# Altium PCB Motherboard_PCB_Trimmed.PcbDoc (part 3 of 5)
Units mm, origin at the board's own origin, x right, y up, seen from the top; angles counter-clockwise.
Board outline 167.96 x 167.95 mm, 6 copper layers (Top, VCC, VS, Internal, GND, Bottom), stack 1.797 mm thick; 578 components, 549 nets, 2587 pads, 1599 vias.
Unrouted connection lines stored in the file: 2.
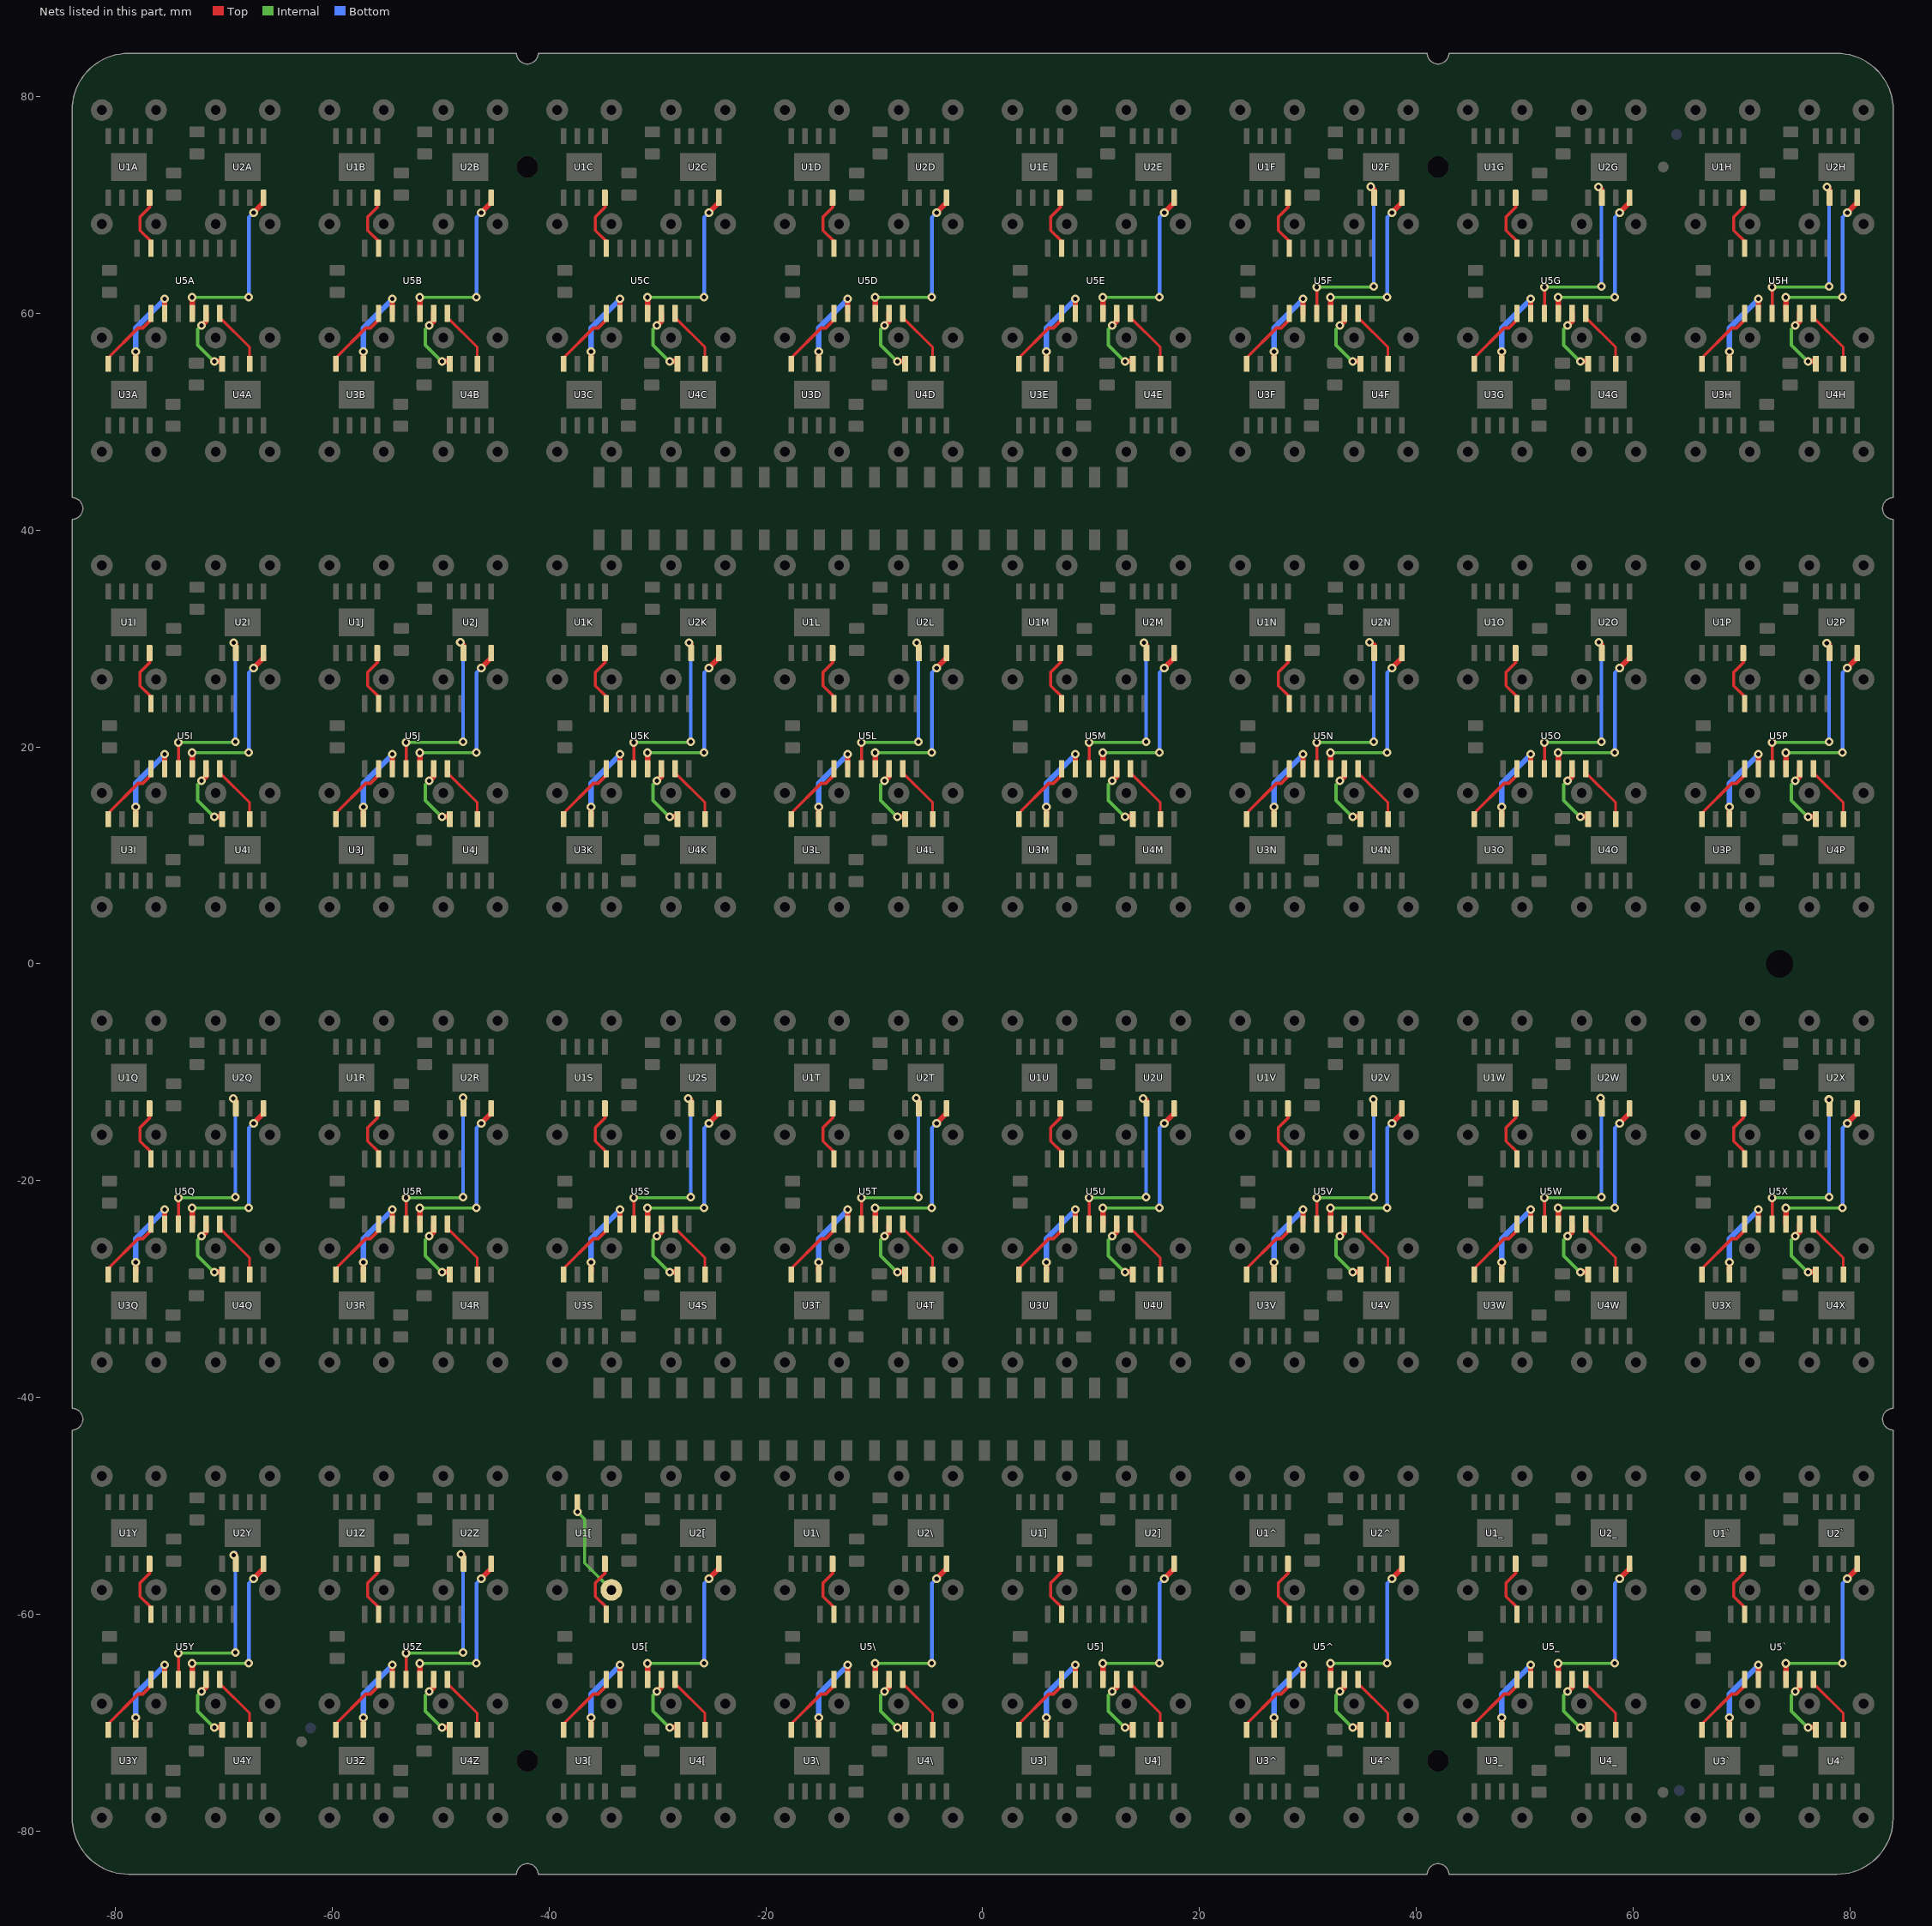
[diagram p7: the nets of this part, all layers, seen from the top]

## Via types
v1: diameter 0.8, hole 0.4, Top to Bottom, tented both sides, 1061 vias
v2: diameter 0.8, hole 0.4, Top to Bottom, 512 vias
v3: diameter 1.4, hole 0.8, Top to Bottom, tented both sides, 10 vias
v4: diameter 1.2, hole 0.8, Top to Bottom, tented both sides, 10 vias
v5: diameter 1, hole 0.6, Top to Bottom, tented both sides, 6 vias

## Nets (pads, with @x,y where several pads share a name; then routed paths per layer and width w, separated by ;. In a path a pad name is that pad's centre, name@x,y a point inside that pad or via, vN(x,y) a via of type N, cw(c..) or ccw(c..) an arc to the next point about the centre after c; other vN are vias at no path point) (continued)
INA_2F: U2F.2 U5F.4 | length 18.4
  Top w0.305: U5F.4@30.815,60 30.825,60.01 v1(30.825,62.425) ; v1(35.789,71.679) 35.851,71.679 36.115,71.415
  Top w0.5: U2F.2@36.115,70.455 U2F.2@36.115,70.655 36.115,71.415
  Internal w0.305: v1(30.825,62.425) 36.025,62.425 v1(36.075,62.475)
  Bottom w0.305: v1(35.789,71.679) 35.789,71.661 36.075,71.375 v1(36.075,62.475)
INA_2G: U2G.2 U5G.4 | length 18.4
  Top w0.305: U5G.4@51.815,60 51.825,60.01 v1(51.825,62.425) ; v1(56.794,71.653) 56.877,71.653 v1@57.115,71.415
  Top w0.5: U2G.2@57.115,70.455 U2G.2@57.115,70.655 v1@57.115,71.415
  Internal w0.305: v1(51.825,62.425) 57.025,62.425 v1(57.075,62.475)
  Bottom w0.305: v1(56.794,71.653) 56.797,71.653 57.075,71.375 v1(57.075,62.475)
INA_2H: U2H.2 U5H.4 | length 18.3
  Top w0.305: U5H.4@72.815,60 72.825,60.01 v1(72.825,62.425) ; v1(77.876,71.653) v1@78.115,71.415
  Top w0.5: U2H.2@78.115,70.455 U2H.2@78.115,70.655 v1@78.115,71.415
  Internal w0.305: v1(72.825,62.425) 78.025,62.425 v1(78.075,62.475)
  Bottom w0.305: v1(77.876,71.653) 77.876,71.577 78.075,71.379 v1(78.075,62.475)
INA_2I: U2I.2 U5I.4 | length 18.4
  Top w0.305: U5I.4@-74.185,18 -74.175,18.01 v1(-74.175,20.425) ; v1(-69.075,29.605) v1@-68.885,29.415
  Top w0.5: U2I.2@-68.885,28.455 U2I.2@-68.885,28.655 v1@-68.885,29.415
  Internal w0.305: v1(-74.175,20.425) -68.975,20.425 v1(-68.925,20.475)
  Bottom w0.305: v1(-69.075,29.605) -69.08,29.605 -69.163,29.687 -69.2,29.65 -68.925,29.375 v1(-68.925,20.475)
INA_2J: U2J.2 U5J.4 | length 18.4
  Top w0.305: U5J.4@-53.185,18 -53.175,18.01 v1(-53.175,20.425) ; v1(-48.184,29.667) -48.137,29.667 v1@-47.885,29.415
  Top w0.5: U2J.2@-47.885,28.455 U2J.2@-47.885,28.655 v1@-47.885,29.415
  Internal w0.305: v1(-53.175,20.425) -47.975,20.425 v1(-47.925,20.475)
  Bottom w0.305: v1(-48.184,29.667) -48.184,29.634 -47.925,29.375 v1(-47.925,20.475)
INA_2K: U2K.2 U5K.4 | length 18.2
  Top w0.305: U5K.4@-32.185,18 -32.175,18.01 v1(-32.175,20.425) ; v1(-27.076,29.606) v1@-26.885,29.415
  Top w0.5: U2K.2@-26.885,28.455 U2K.2@-26.885,28.655 v1@-26.885,29.415
  Internal w0.305: v1(-32.175,20.425) -26.975,20.425 v1(-26.925,20.475)
  Bottom w0.305: v1(-27.076,29.606) -26.99,29.606 -26.925,29.541 v1(-26.925,20.475)
INA_2L: U2L.2 U5L.4 | length 18.2
  Top w0.305: U5L.4@-11.185,18 -11.175,18.01 v1(-11.175,20.425) ; v1(-6.096,29.616) -6.086,29.616 v1@-5.885,29.415
  Top w0.5: U2L.2@-5.885,28.455 U2L.2@-5.885,28.655 v1@-5.885,29.415
  Internal w0.305: v1(-11.175,20.425) -5.975,20.425 v1(-5.925,20.475)
  Bottom w0.305: v1(-6.096,29.616) -5.925,29.445 v1(-5.925,20.475)
INA_2M: U2M.2 U5M.4 | length 18.2
  Top w0.305: U5M.4@9.815,18 9.825,18.01 v1(9.825,20.425) ; v1(14.884,29.616) 14.914,29.616 v1@15.115,29.415
  Top w0.5: U2M.2@15.115,28.455 U2M.2@15.115,28.655 v1@15.115,29.415
  Internal w0.305: v1(9.825,20.425) 15.025,20.425 v1(15.075,20.475)
  Bottom w0.305: v1(14.884,29.616) 14.884,29.566 15.075,29.375 v1(15.075,20.475)
INA_2N: U2N.2 U5N.4 | length 18.6
  Top w0.305: U5N.4@30.815,18 30.825,18.01 v1(30.825,20.425) ; v1(35.687,29.667) 35.863,29.667 36.115,29.415
  Top w0.5: U2N.2@36.115,28.455 U2N.2@36.115,28.655 36.115,29.415
  Internal w0.305: v1(30.825,20.425) 36.025,20.425 v1(36.075,20.475)
  Bottom w0.305: v1(35.687,29.667) 35.783,29.667 36.075,29.375 v1(36.075,20.475)
INA_2O: U2O.2 U5O.4 | length 18.3
  Top w0.305: U5O.4@51.815,18 51.825,18.01 v1(51.825,20.425) ; v1(56.845,29.667) 56.863,29.667 v1@57.115,29.415
  Top w0.5: U2O.2@57.115,28.455 U2O.2@57.115,28.655 v1@57.115,29.415
  Internal w0.305: v1(51.825,20.425) 57.025,20.425 v1(57.075,20.475)
  Bottom w0.305: v1(56.845,29.667) 56.845,29.605 57.075,29.375 v1(57.075,20.475)
INA_2P: U2P.2 U5P.4 | length 18.2
  Top w0.305: U5P.4@72.815,18 72.825,18.01 v1(72.825,20.425) ; v1(77.851,29.566) 77.964,29.566 v1@78.115,29.415
  Top w0.5: U2P.2@78.115,28.455 U2P.2@78.115,28.655 v1@78.115,29.415
  Internal w0.305: v1(72.825,20.425) 78.025,20.425 v1(78.075,20.475)
  Bottom w0.305: v1(77.851,29.566) 77.884,29.566 78.075,29.375 v1(78.075,20.475)
INA_2Q: U2Q.2 U5Q.4 | length 18.2
  Top w0.305: U5Q.4@-74.185,-24 -74.175,-23.99 v1(-74.175,-21.575) ; v1(-69.139,-12.421) -69.049,-12.421 v1@-68.885,-12.585
  Top w0.5: U2Q.2@-68.885,-13.545 U2Q.2@-68.885,-13.345 v1@-68.885,-12.585
  Internal w0.305: v1(-74.175,-21.575) -68.975,-21.575 v1(-68.925,-21.525)
  Bottom w0.305: v1(-69.139,-12.421) -69.129,-12.421 -68.925,-12.625 v1(-68.925,-21.525)
INA_2R: U2R.2 U5R.4 | length 18.1
  Top w0.305: U5R.4@-53.185,-24 -53.175,-23.99 v1(-53.175,-21.575) ; v1(-47.93,-12.344) -47.885,-12.389 v1@-47.885,-12.585
  Top w0.5: U2R.2@-47.885,-13.545 U2R.2@-47.885,-13.345 v1@-47.885,-12.585
  Internal w0.305: v1(-53.175,-21.575) -47.975,-21.575 v1(-47.925,-21.525)
  Bottom w0.305: v1(-47.93,-12.344) -47.925,-12.349 v1(-47.925,-21.525)
INA_2S: U2S.2 U5S.4 | length 18.3
  Top w0.305: U5S.4@-32.185,-24 -32.175,-23.99 v1(-32.175,-21.575) ; v1(-27.178,-12.421) -27.049,-12.421 v1@-26.885,-12.585
  Top w0.5: U2S.2@-26.885,-13.545 U2S.2@-26.885,-13.345 v1@-26.885,-12.585
  Internal w0.305: v1(-32.175,-21.575) -26.975,-21.575 v1(-26.925,-21.525)
  Bottom w0.305: v1(-27.178,-12.421) -27.129,-12.421 -26.925,-12.625 v1(-26.925,-21.525)
INA_2T: U2T.2 U5T.4 | length 18.3
  Top w0.305: U5T.4@-11.185,-24 -11.175,-23.99 v1(-11.175,-21.575) ; v1(-6.121,-12.37) -6.121,-12.349 v1@-5.885,-12.585
  Top w0.5: U2T.2@-5.885,-13.545 U2T.2@-5.885,-13.345 v1@-5.885,-12.585
  Internal w0.305: v1(-11.175,-21.575) -5.975,-21.575 v1(-5.925,-21.525)
  Bottom w0.305: v1(-6.121,-12.37) -6.18,-12.37 -5.925,-12.625 v1(-5.925,-21.525)
INA_2U: U2U.2 U5U.4 | length 18.3
  Top w0.305: U5U.4@9.815,-24 9.825,-23.99 v1(9.825,-21.575) ; v1(14.808,-12.421) 14.951,-12.421 v1@15.115,-12.585
  Top w0.5: U2U.2@15.115,-13.545 U2U.2@15.115,-13.345 v1@15.115,-12.585
  Internal w0.305: v1(9.825,-21.575) 15.025,-21.575 v1(15.075,-21.525)
  Bottom w0.305: v1(14.808,-12.421) 14.935,-12.421 15.075,-12.56 v1(15.075,-21.525)
INA_2V: U2V.2 U5V.4 | length 17.8
  Top w0.305: U5V.4@30.815,-24 30.825,-23.99 v1(30.825,-21.575) ; v1(36.017,-12.497) 36.027,-12.497 v1@36.115,-12.585
  Top w0.5: U2V.2@36.115,-13.545 U2V.2@36.115,-13.345 v1@36.115,-12.585
  Internal w0.305: v1(30.825,-21.575) 36.025,-21.575 v1(36.075,-21.525)
  Bottom w0.305: v1(36.017,-12.497) 36.075,-12.555 v1(36.075,-21.525)
INA_2W: U2W.2 U5W.4 | length 18.1
  Top w0.305: U5W.4@51.815,-24 51.825,-23.99 v1(51.825,-21.575) ; v1(56.998,-12.37) 57.115,-12.487 v1@57.115,-12.585
  Top w0.5: U2W.2@57.115,-13.545 U2W.2@57.115,-13.345 v1@57.115,-12.585
  Internal w0.305: v1(51.825,-21.575) 57.025,-21.575 v1(57.075,-21.525)
  Bottom w0.305: v1(56.998,-12.37) 57.075,-12.447 v1(57.075,-21.525)
INA_2X: U2X.2 U5X.4 | length 17.8
  Top w0.305: U5X.4@72.815,-24 72.825,-23.99 v1(72.825,-21.575) ; v1(78.054,-12.522) 78.115,-12.583 v1@78.115,-12.585
  Top w0.5: U2X.2@78.115,-13.545 U2X.2@78.115,-13.345 v1@78.115,-12.585
  Internal w0.305: v1(72.825,-21.575) 78.025,-21.575 v1(78.075,-21.525)
  Bottom w0.305: v1(78.054,-12.522) 78.075,-12.543 v1(78.075,-21.525)
INA_2Y: U2Y.2 U5Y.4 | length 18.6
  Top w0.305: U5Y.4@-74.185,-66 -74.175,-65.99 v1(-74.175,-63.575) ; v1(-69.075,-54.525) -69.054,-54.525 -68.885,-54.356 v1@-68.885,-54.585
  Top w0.5: U2Y.2@-68.885,-55.545 U2Y.2@-68.885,-55.345 v1@-68.885,-54.585
  Internal w0.305: v1(-74.175,-63.575) -68.975,-63.575 v1(-68.925,-63.525)
  Bottom w0.305: v1(-69.075,-54.525) -69.075,-54.466 -68.925,-54.316 v1(-68.925,-63.525)
INA_2Z: U2Z.2 U5Z.4 | length 18.5
  Top w0.305: U5Z.4@-53.185,-66 -53.175,-65.99 v1(-53.175,-63.575) ; v1(-48.125,-54.45) -47.934,-54.45 -47.885,-54.401 v1@-47.885,-54.585
  Top w0.5: U2Z.2@-47.885,-55.545 U2Z.2@-47.885,-55.345 v1@-47.885,-54.585
  Internal w0.305: v1(-53.175,-63.575) -47.975,-63.575 v1(-47.925,-63.525)
  Bottom w0.305: v1(-48.125,-54.45) -48.014,-54.45 -47.925,-54.361 v1(-47.925,-63.525)
INA_3[: U3[.2 U5[.3 | length 8.2
  Top w0.5: v1(-36.125,-69.525) -36.115,-69.535 U3[.2@-36.115,-70.455 ; U5[.3@-33.455,-66 -33.455,-64.68 v1(-33.45,-64.675)
  Bottom w0.5: v1(-36.125,-69.525) -36.125,-67.35 v1(-33.45,-64.675)
INA_3\: U3\.2 U5\.3 | length 8.2
  Top w0.5: v1(-15.125,-69.525) -15.115,-69.535 U3\.2@-15.115,-70.455 ; U5\.3@-12.455,-66 -12.455,-64.68 v1(-12.45,-64.675)
  Bottom w0.5: v1(-15.125,-69.525) -15.125,-67.35 v1(-12.45,-64.675)
INA_3]: U3].2 U5].3 | length 8.2
  Top w0.5: v1(5.875,-69.525) 5.885,-69.535 U3].2@5.885,-70.455 ; U5].3@8.545,-66 8.545,-64.68 v1(8.55,-64.675)
  Bottom w0.5: v1(5.875,-69.525) 5.875,-67.35 v1(8.55,-64.675)
INA_3^: U3^.2 U5^.3 | length 8.2
  Top w0.5: v1(26.875,-69.525) 26.885,-69.535 U3^.2@26.885,-70.455 ; U5^.3@29.545,-66 29.545,-64.68 v1(29.55,-64.675)
  Bottom w0.5: v1(26.875,-69.525) 26.875,-67.35 v1(29.55,-64.675)
INA_3_: U3_.2 U5_.3 | length 8.2
  Top w0.5: v1(47.875,-69.525) 47.885,-69.535 U3_.2@47.885,-70.455 ; U5_.3@50.545,-66 50.545,-64.68 v1(50.55,-64.675)
  Bottom w0.5: v1(47.875,-69.525) 47.875,-67.35 v1(50.55,-64.675)
INA_3`: U3`.2 U5`.3 | length 8.2
  Top w0.5: v1(68.875,-69.525) 68.885,-69.535 U3`.2@68.885,-70.455 ; U5`.3@71.545,-66 71.545,-64.68 v1(71.55,-64.675)
  Bottom w0.5: v1(68.875,-69.525) 68.875,-67.35 v1(71.55,-64.675)
INA_3A: U3A.2 U5A.3 | length 8.2
  Top w0.5: v1(-78.125,56.475) -78.115,56.465 U3A.2@-78.115,55.545 ; U5A.3@-75.455,60 -75.455,61.32 v1(-75.45,61.325)
  Bottom w0.5: v1(-78.125,56.475) -78.125,58.65 v1(-75.45,61.325)
INA_3B: U3B.2 U5B.3 | length 8.2
  Top w0.5: v1(-57.125,56.475) -57.115,56.465 U3B.2@-57.115,55.545 ; U5B.3@-54.455,60 -54.455,61.32 v1(-54.45,61.325)
  Bottom w0.5: v1(-57.125,56.475) -57.125,58.65 v1(-54.45,61.325)
INA_3C: U3C.2 U5C.3 | length 8.2
  Top w0.5: v1(-36.125,56.475) -36.115,56.465 U3C.2@-36.115,55.545 ; U5C.3@-33.455,60 -33.455,61.32 v1(-33.45,61.325)
  Bottom w0.5: v1(-36.125,56.475) -36.125,58.65 v1(-33.45,61.325)
INA_3D: U3D.2 U5D.3 | length 8.2
  Top w0.5: v1(-15.125,56.475) -15.115,56.465 U3D.2@-15.115,55.545 ; U5D.3@-12.455,60 -12.455,61.32 v1(-12.45,61.325)
  Bottom w0.5: v1(-15.125,56.475) -15.125,58.65 v1(-12.45,61.325)
INA_3E: U3E.2 U5E.3 | length 8.2
  Top w0.5: v1(5.875,56.475) 5.885,56.465 U3E.2@5.885,55.545 ; U5E.3@8.545,60 8.545,61.32 v1(8.55,61.325)
  Bottom w0.5: v1(5.875,56.475) 5.875,58.65 v1(8.55,61.325)
INA_3F: U3F.2 U5F.3 | length 8.2
  Top w0.5: v1(26.875,56.475) 26.885,56.465 U3F.2@26.885,55.545 ; U5F.3@29.545,60 29.545,61.32 v1(29.55,61.325)
  Bottom w0.5: v1(26.875,56.475) 26.875,58.65 v1(29.55,61.325)
INA_3G: U3G.2 U5G.3 | length 8.2
  Top w0.5: v1(47.875,56.475) 47.885,56.465 U3G.2@47.885,55.545 ; U5G.3@50.545,60 50.545,61.32 v1(50.55,61.325)
  Bottom w0.5: v1(47.875,56.475) 47.875,58.65 v1(50.55,61.325)
INA_3H: U3H.2 U5H.3 | length 8.2
  Top w0.5: v1(68.875,56.475) 68.885,56.465 U3H.2@68.885,55.545 ; U5H.3@71.545,60 71.545,61.32 v1(71.55,61.325)
  Bottom w0.5: v1(68.875,56.475) 68.875,58.65 v1(71.55,61.325)
INA_3I: U3I.2 U5I.3 | length 8.2
  Top w0.5: v1(-78.125,14.475) -78.115,14.465 U3I.2@-78.115,13.545 ; U5I.3@-75.455,18 -75.455,19.32 v1(-75.45,19.325)
  Bottom w0.5: v1(-78.125,14.475) -78.125,16.65 v1(-75.45,19.325)
INA_3J: U3J.2 U5J.3 | length 8.2
  Top w0.5: v1(-57.125,14.475) -57.115,14.465 U3J.2@-57.115,13.545 ; U5J.3@-54.455,18 -54.455,19.32 v1(-54.45,19.325)
  Bottom w0.5: v1(-57.125,14.475) -57.125,16.65 v1(-54.45,19.325)
INA_3K: U3K.2 U5K.3 | length 8.2
  Top w0.5: v1(-36.125,14.475) -36.115,14.465 U3K.2@-36.115,13.545 ; U5K.3@-33.455,18 -33.455,19.32 v1(-33.45,19.325)
  Bottom w0.5: v1(-36.125,14.475) -36.125,16.65 v1(-33.45,19.325)
INA_3L: U3L.2 U5L.3 | length 8.2
  Top w0.5: v1(-15.125,14.475) -15.115,14.465 U3L.2@-15.115,13.545 ; U5L.3@-12.455,18 -12.455,19.32 v1(-12.45,19.325)
  Bottom w0.5: v1(-15.125,14.475) -15.125,16.65 v1(-12.45,19.325)
INA_3M: U3M.2 U5M.3 | length 8.2
  Top w0.5: v1(5.875,14.475) 5.885,14.465 U3M.2@5.885,13.545 ; U5M.3@8.545,18 8.545,19.32 v1(8.55,19.325)
  Bottom w0.5: v1(5.875,14.475) 5.875,16.65 v1(8.55,19.325)
INA_3N: U3N.2 U5N.3 | length 8.2
  Top w0.5: v1(26.875,14.475) 26.885,14.465 U3N.2@26.885,13.545 ; U5N.3@29.545,18 29.545,19.32 v1(29.55,19.325)
  Bottom w0.5: v1(26.875,14.475) 26.875,16.65 v1(29.55,19.325)
INA_3O: U3O.2 U5O.3 | length 8.2
  Top w0.5: v1(47.875,14.475) 47.885,14.465 U3O.2@47.885,13.545 ; U5O.3@50.545,18 50.545,19.32 v1(50.55,19.325)
  Bottom w0.5: v1(47.875,14.475) 47.875,16.65 v1(50.55,19.325)
INA_3P: U3P.2 U5P.3 | length 8.2
  Top w0.5: v1(68.875,14.475) 68.885,14.465 U3P.2@68.885,13.545 ; U5P.3@71.545,18 71.545,19.32 v1(71.55,19.325)
  Bottom w0.5: v1(68.875,14.475) 68.875,16.65 v1(71.55,19.325)
INA_3Q: U3Q.2 U5Q.3 | length 8.2
  Top w0.5: v1(-78.125,-27.525) -78.115,-27.535 U3Q.2@-78.115,-28.455 ; U5Q.3@-75.455,-24 -75.455,-22.68 v1(-75.45,-22.675)
  Bottom w0.5: v1(-78.125,-27.525) -78.125,-25.35 v1(-75.45,-22.675)
INA_3R: U3R.2 U5R.3 | length 8.2
  Top w0.5: v1(-57.125,-27.525) -57.115,-27.535 U3R.2@-57.115,-28.455 ; U5R.3@-54.455,-24 -54.455,-22.68 v1(-54.45,-22.675)
  Bottom w0.5: v1(-57.125,-27.525) -57.125,-25.35 v1(-54.45,-22.675)
INA_3S: U3S.2 U5S.3 | length 8.2
  Top w0.5: v1(-36.125,-27.525) -36.115,-27.535 U3S.2@-36.115,-28.455 ; U5S.3@-33.455,-24 -33.455,-22.68 v1(-33.45,-22.675)
  Bottom w0.5: v1(-36.125,-27.525) -36.125,-25.35 v1(-33.45,-22.675)
INA_3T: U3T.2 U5T.3 | length 8.2
  Top w0.5: v1(-15.125,-27.525) -15.115,-27.535 U3T.2@-15.115,-28.455 ; U5T.3@-12.455,-24 -12.455,-22.68 v1(-12.45,-22.675)
  Bottom w0.5: v1(-15.125,-27.525) -15.125,-25.35 v1(-12.45,-22.675)
INA_3U: U3U.2 U5U.3 | length 8.2
  Top w0.5: v1(5.875,-27.525) 5.885,-27.535 U3U.2@5.885,-28.455 ; U5U.3@8.545,-24 8.545,-22.68 v1(8.55,-22.675)
  Bottom w0.5: v1(5.875,-27.525) 5.875,-25.35 v1(8.55,-22.675)
INA_3V: U3V.2 U5V.3 | length 8.2
  Top w0.5: v1(26.875,-27.525) 26.885,-27.535 U3V.2@26.885,-28.455 ; U5V.3@29.545,-24 29.545,-22.68 v1(29.55,-22.675)
  Bottom w0.5: v1(26.875,-27.525) 26.875,-25.35 v1(29.55,-22.675)
INA_3W: U3W.2 U5W.3 | length 8.2
  Top w0.5: v1(47.875,-27.525) 47.885,-27.535 U3W.2@47.885,-28.455 ; U5W.3@50.545,-24 50.545,-22.68 v1(50.55,-22.675)
  Bottom w0.5: v1(47.875,-27.525) 47.875,-25.35 v1(50.55,-22.675)
INA_3X: U3X.2 U5X.3 | length 8.2
  Top w0.5: v1(68.875,-27.525) 68.885,-27.535 U3X.2@68.885,-28.455 ; U5X.3@71.545,-24 71.545,-22.68 v1(71.55,-22.675)
  Bottom w0.5: v1(68.875,-27.525) 68.875,-25.35 v1(71.55,-22.675)
INA_3Y: U3Y.2 U5Y.3 | length 8.2
  Top w0.5: v1(-78.125,-69.525) -78.115,-69.535 U3Y.2@-78.115,-70.455 ; U5Y.3@-75.455,-66 -75.455,-64.68 v1(-75.45,-64.675)
  Bottom w0.5: v1(-78.125,-69.525) -78.125,-67.35 v1(-75.45,-64.675)
INA_3Z: U3Z.2 U5Z.3 | length 8.2
  Top w0.5: v1(-57.125,-69.525) -57.115,-69.535 U3Z.2@-57.115,-70.455 ; U5Z.3@-54.455,-66 -54.455,-64.68 v1(-54.45,-64.675)
  Bottom w0.5: v1(-57.125,-69.525) -57.125,-67.35 v1(-54.45,-64.675)
INA_4[: U4[.2 U5[.7 | length 5.6
  Top w0.254: U5[.7@-28.375,-66 -28.375,-66.375 -25.615,-69.135 U4[.2@-25.615,-70.455
INA_4\: U4\.2 U5\.7 | length 5.6
  Top w0.254: U5\.7@-7.375,-66 -7.375,-66.375 -4.615,-69.135 U4\.2@-4.615,-70.455
INA_4]: U4].2 U5].7 | length 5.6
  Top w0.254: U5].7@13.625,-66 13.625,-66.375 16.385,-69.135 U4].2@16.385,-70.455
INA_4^: U4^.2 U5^.7 | length 5.6
  Top w0.254: U5^.7@34.625,-66 34.625,-66.375 37.385,-69.135 U4^.2@37.385,-70.455
INA_4_: U4_.2 U5_.7 | length 5.6
  Top w0.254: U5_.7@55.625,-66 55.625,-66.375 58.385,-69.135 U4_.2@58.385,-70.455
INA_4`: U4`.2 U5`.7 | length 5.6
  Top w0.254: U5`.7@76.625,-66 76.625,-66.375 79.385,-69.135 U4`.2@79.385,-70.455
INA_4A: U4A.2 U5A.7 | length 5.6
  Top w0.254: U5A.7@-70.375,60 -70.375,59.625 -67.615,56.865 U4A.2@-67.615,55.545
INA_4B: U4B.2 U5B.7 | length 5.6
  Top w0.254: U5B.7@-49.375,60 -49.375,59.625 -46.615,56.865 U4B.2@-46.615,55.545
INA_4C: U4C.2 U5C.7 | length 5.6
  Top w0.254: U5C.7@-28.375,60 -28.375,59.625 -25.615,56.865 U4C.2@-25.615,55.545
INA_4D: U4D.2 U5D.7 | length 5.6
  Top w0.254: U5D.7@-7.375,60 -7.375,59.625 -4.615,56.865 U4D.2@-4.615,55.545
INA_4E: U4E.2 U5E.7 | length 5.6
  Top w0.254: U5E.7@13.625,60 13.625,59.625 16.385,56.865 U4E.2@16.385,55.545
INA_4F: U4F.2 U5F.7 | length 5.6
  Top w0.254: U5F.7@34.625,60 34.625,59.625 37.385,56.865 U4F.2@37.385,55.545
INA_4G: U4G.2 U5G.7 | length 5.6
  Top w0.254: U5G.7@55.625,60 55.625,59.625 58.385,56.865 U4G.2@58.385,55.545
INA_4H: U4H.2 U5H.7 | length 5.6
  Top w0.254: U5H.7@76.625,60 76.625,59.625 79.385,56.865 U4H.2@79.385,55.545
INA_4I: U4I.2 U5I.7 | length 5.6
  Top w0.254: U5I.7@-70.375,18 -70.375,17.625 -67.615,14.865 U4I.2@-67.615,13.545
INA_4J: U4J.2 U5J.7 | length 5.6
  Top w0.254: U5J.7@-49.375,18 -49.375,17.625 -46.615,14.865 U4J.2@-46.615,13.545
INA_4K: U4K.2 U5K.7 | length 5.6
  Top w0.254: U5K.7@-28.375,18 -28.375,17.625 -25.615,14.865 U4K.2@-25.615,13.545
INA_4L: U4L.2 U5L.7 | length 5.6
  Top w0.254: U5L.7@-7.375,18 -7.375,17.625 -4.615,14.865 U4L.2@-4.615,13.545
INA_4M: U4M.2 U5M.7 | length 5.6
  Top w0.254: U5M.7@13.625,18 13.625,17.625 16.385,14.865 U4M.2@16.385,13.545
INA_4N: U4N.2 U5N.7 | length 5.6
  Top w0.254: U5N.7@34.625,18 34.625,17.625 37.385,14.865 U4N.2@37.385,13.545
INA_4O: U4O.2 U5O.7 | length 5.6
  Top w0.254: U5O.7@55.625,18 55.625,17.625 58.385,14.865 U4O.2@58.385,13.545
INA_4P: U4P.2 U5P.7 | length 5.6
  Top w0.254: U5P.7@76.625,18 76.625,17.625 79.385,14.865 U4P.2@79.385,13.545
INA_4Q: U4Q.2 U5Q.7 | length 5.6
  Top w0.254: U5Q.7@-70.375,-24 -70.375,-24.375 -67.615,-27.135 U4Q.2@-67.615,-28.455
INA_4R: U4R.2 U5R.7 | length 5.6
  Top w0.254: U5R.7@-49.375,-24 -49.375,-24.375 -46.615,-27.135 U4R.2@-46.615,-28.455
INA_4S: U4S.2 U5S.7 | length 5.6
  Top w0.254: U5S.7@-28.375,-24 -28.375,-24.375 -25.615,-27.135 U4S.2@-25.615,-28.455
INA_4T: U4T.2 U5T.7 | length 5.6
  Top w0.254: U5T.7@-7.375,-24 -7.375,-24.375 -4.615,-27.135 U4T.2@-4.615,-28.455